# KiCad board QBusH723Z.kicad_pcb
title: QbusH723Z-JLCPCB; date: 2024-04-23; rev: 0.1; company: Bear Metal; note: Jonathan Engdahl; note: https://github.com/jrengdahl
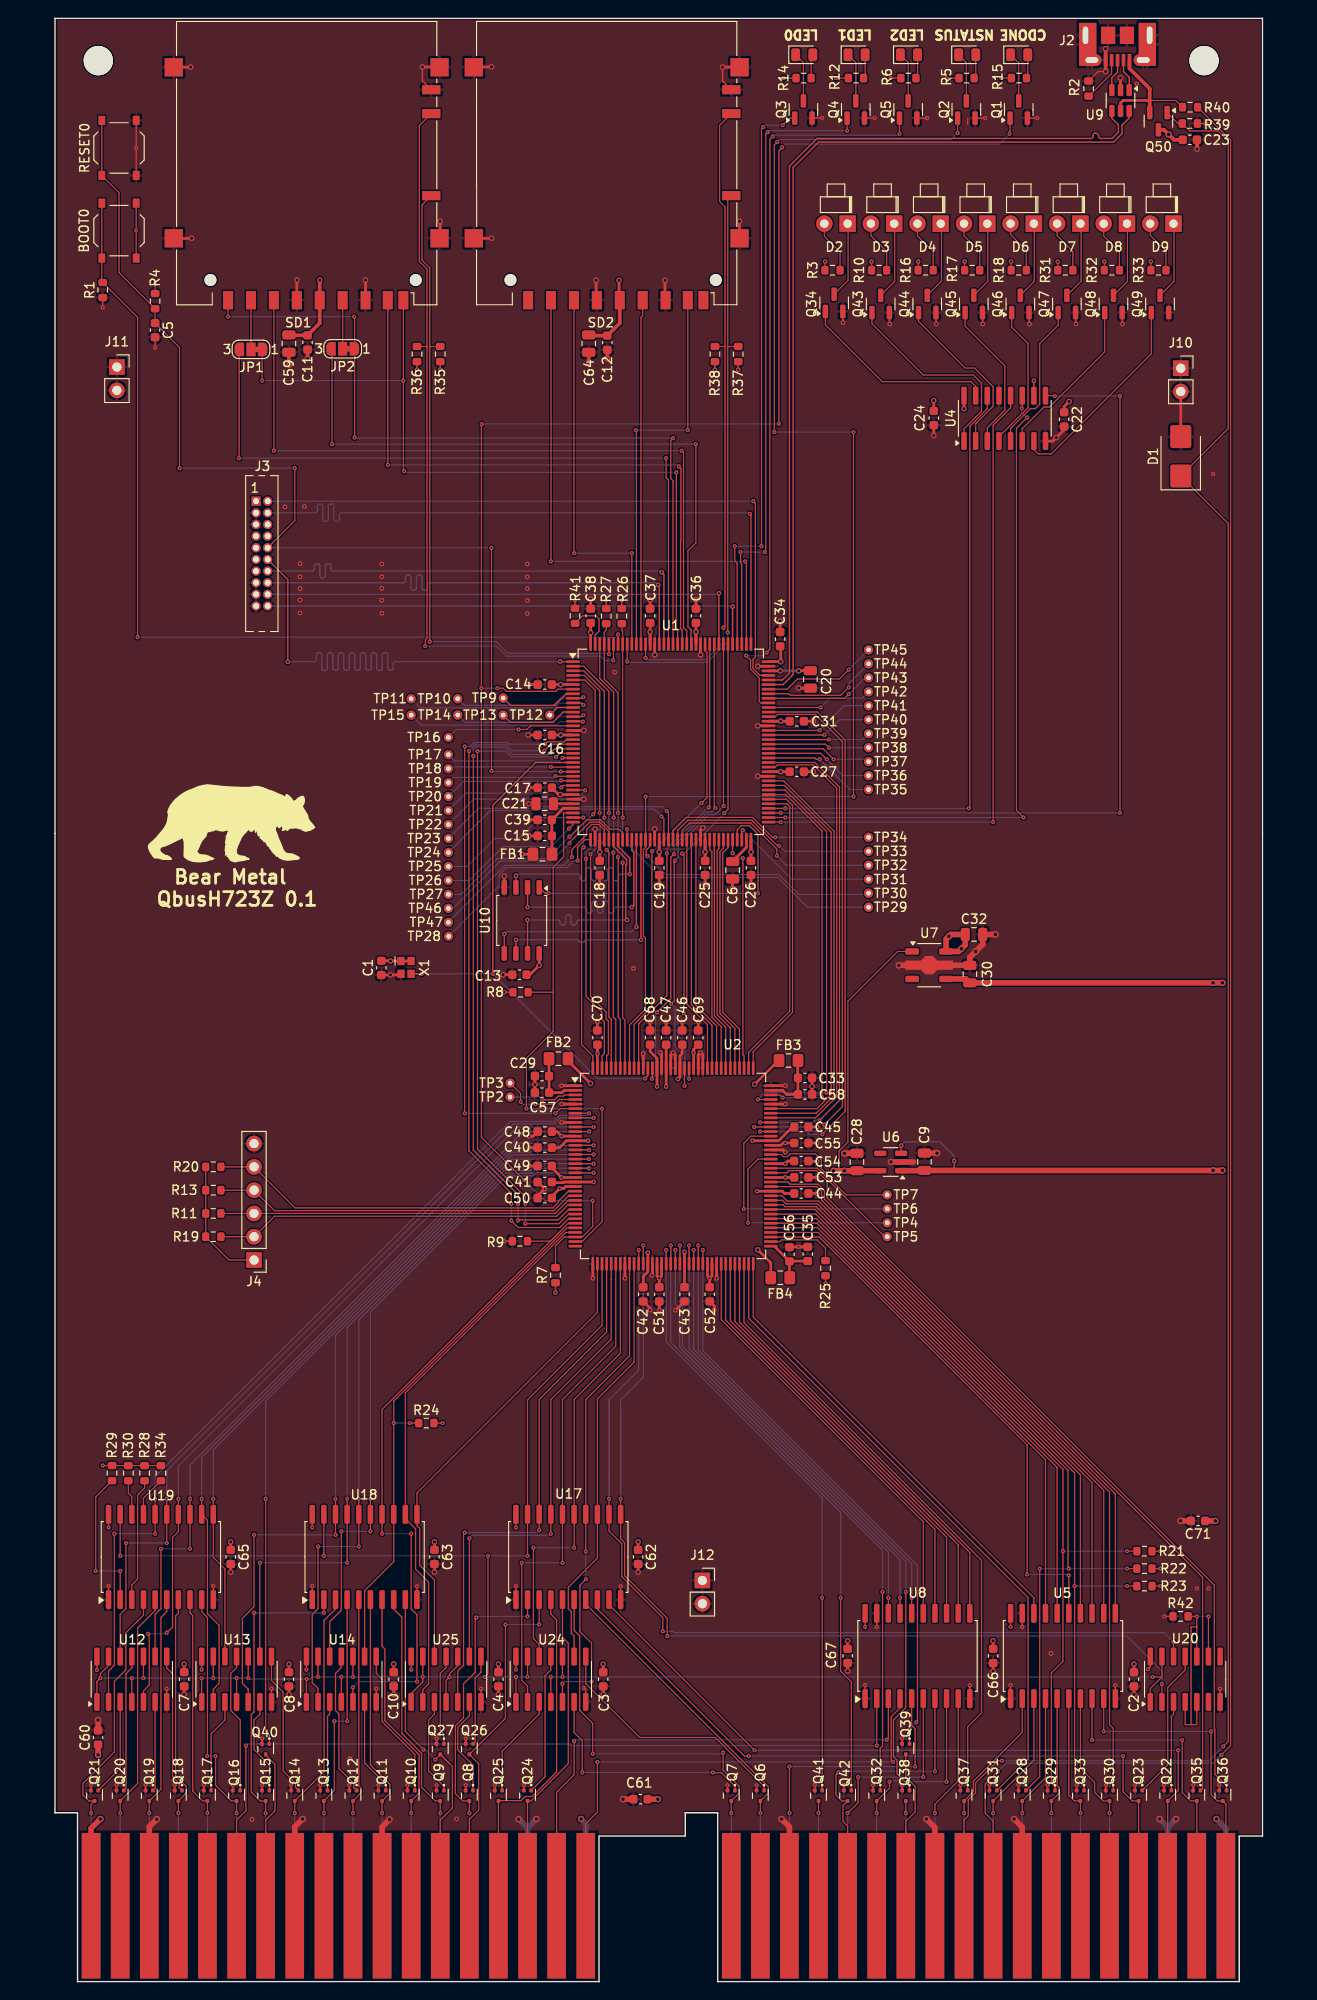
[diagram p0: board, top side]
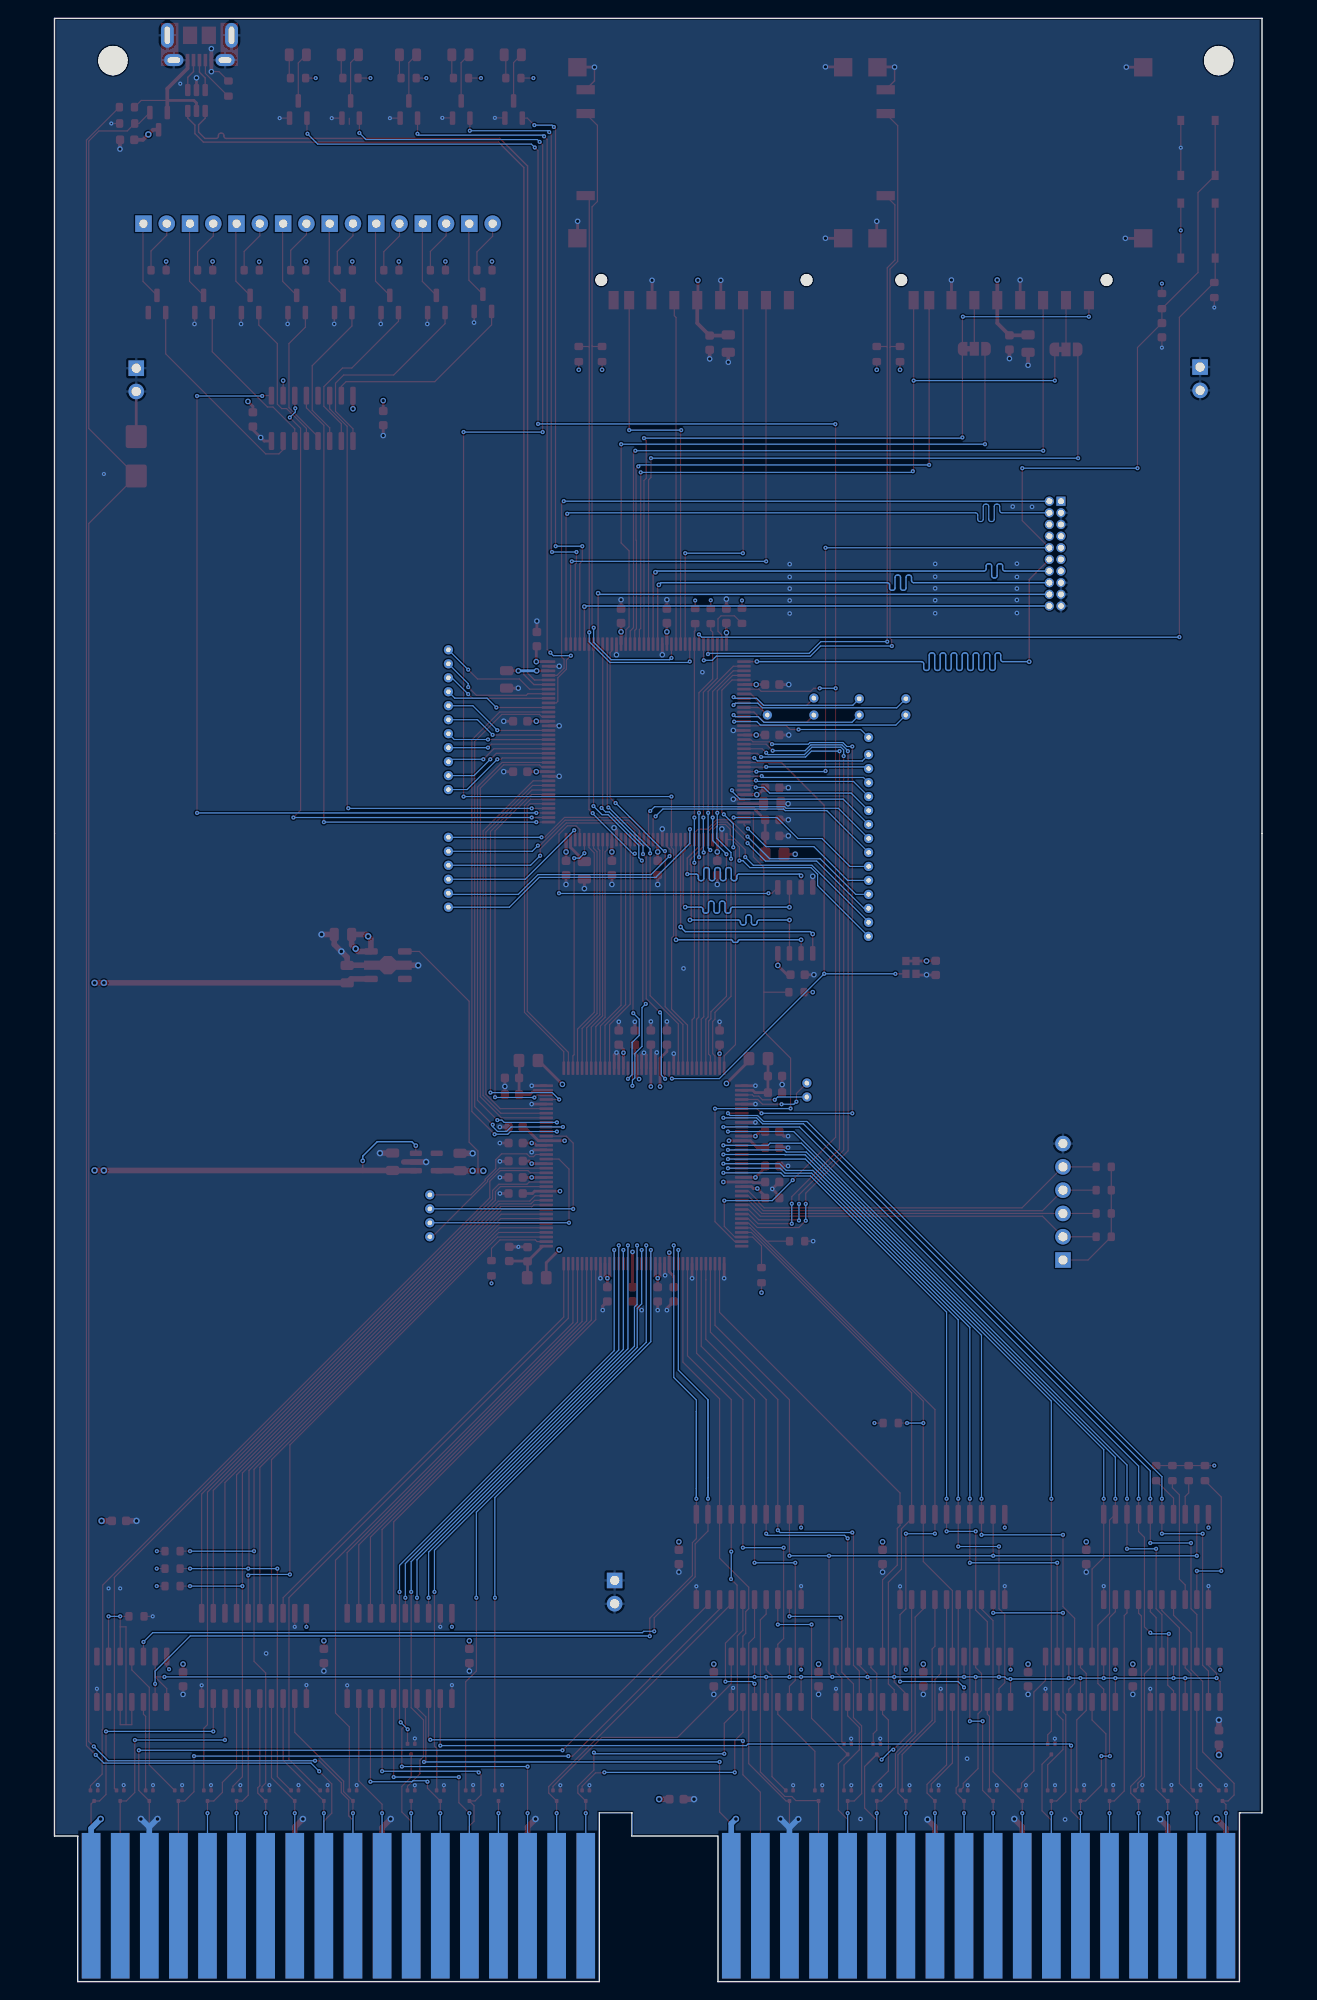
[diagram p1: board, bottom side, seen from below]

Outline 131.75 x 214.12 mm; copper layers: Top, In1.Cu (plane), In2.Cu (plane), Bottom. Coordinates in mm from the lower left corner of the outline.
Outline path: 0,214.12 0,18.42 2.46,18.42 2.46,0 59.36,0 59.36,15.88 68.76,15.88 68.76,18.42 72.31,18.42 72.31,0 129.21,0 129.21,15.88 131.75,15.88 131.75,214.12 0,214.12
Stack: Top 0.035mm / dielectric 0.1mm FR4 er 4.5 / In1.Cu 0.035mm / dielectric 1.24mm FR4 er 4.5 / In2.Cu 0.035mm / dielectric 0.1mm FR4 er 4.5 / Bottom 0.035mm

## Placement (name value [footprint] x y rotation side)
BOOT0  TS-1187A  [SW_Push_1P1T_XKB_TS-1187A]  6.99 190.97 270 top
C1  .1uf  [C_0603_1608Metric]  35.6 110.56 270 top
C2  .1uf  [C_0603_1608Metric]  117.73 32.98 270 top
C3  .1uf  [C_0603_1608Metric]  59.82 32.98 270 top
C4  .1uf  [C_0603_1608Metric]  48.39 32.98 270 top
C5  .1uf  [C_0603_1608Metric]  10.92 180.11 270 top
C6  2.2uf  [C_0805_2012Metric]  73.94 121.21 270 top
C7  .1uf  [C_0603_1608Metric]  14.1 32.98 270 top
C8  .1uf  [C_0603_1608Metric]  25.53 32.98 270 top
C9  4.7uf  [C_0805_2012Metric]  94.87 89.42 90 top
C10  .1uf  [C_0603_1608Metric]  36.96 32.98 270 top
C11  .1uf  [C_0603_1608Metric]  27.56 178.78 270 top
C12  .1uf  [C_0603_1608Metric]  60.27 178.75 270 top
C13  .1uf  [C_0603_1608Metric]  50.67 109.82 180 top
C14  .1uf  [C_0603_1608Metric]  53.44 141.46 180 top
C15  1uf  [C_0603_1608Metric]  53.44 124.96 180 top
C16  .1uf  [C_0603_1608Metric]  53.44 135.96 180 top
C17  .1uf  [C_0603_1608Metric]  53.44 130.21 180 top
C18  .1uf  [C_0603_1608Metric]  59.44 121.46 270 top
C19  .1uf  [C_0603_1608Metric]  65.94 121.46 270 top
C20  2.2uf  [C_0805_2012Metric]  82.42 142.02 270 top
C21  1uf  [C_0805_2012Metric]  53.44 128.46 180 top
C22  .1uf  [C_0603_1608Metric]  110.11 170.38 270 top
C23  10uf  [C_0603_1608Metric]  123.82 200.88 0 top
C24  10uf  [C_0603_1608Metric]  95.89 170.52 270 top
C25  .1uf  [C_0603_1608Metric]  70.94 121.46 270 top
C26  .1uf  [C_0603_1608Metric]  75.94 121.46 270 top
C27  .1uf  [C_0603_1608Metric]  80.94 131.96 0 top
C28  1uf  [C_0805_2012Metric]  87.5 89.4 90 top
C29  1uf  [C_0603_1608Metric]  53.14 98.76 180 top
C30  4.7uf  [C_0805_2012Metric]  99.82 109.88 90 top
C31  .1uf  [C_0603_1608Metric]  80.94 137.46 0 top
C32  4.7uf  [C_0805_2012Metric]  100.28 114.21 0 top
C33  1uf  [C_0603_1608Metric]  81.84 98.56 0 top
C34  .1uf  [C_0603_1608Metric]  79.12 146.42 90 top
C35  1uf  [C_0603_1608Metric]  82.14 79.36 90 top
C36  .1uf  [C_0603_1608Metric]  69.94 148.96 90 top
C37  .1uf  [C_0603_1608Metric]  64.94 148.96 90 top
C38  .1uf  [C_0603_1608Metric]  58.45 148.96 90 top
C39  .1uf  [C_0603_1608Metric]  53.44 126.71 180 top
C40  .1uf  [C_0603_1608Metric]  53.44 90.96 180 top
C41  .1uf  [C_0603_1608Metric]  53.44 87.21 180 top
C42  .1uf  [C_0603_1608Metric]  64.19 74.96 270 top
C43  .1uf  [C_0603_1608Metric]  68.69 74.96 270 top
C44  .1uf  [C_0603_1608Metric]  81.44 85.96 0 top
C45  .1uf  [C_0603_1608Metric]  81.44 93.21 0 top
C46  .1uf  [C_0603_1608Metric]  68.44 102.96 90 top
C47  .1uf  [C_0603_1608Metric]  66.69 102.96 90 top
C48  .1uf  [C_0603_1608Metric]  53.44 92.71 180 top
C49  .1uf  [C_0603_1608Metric]  53.44 88.96 180 top
C50  .1uf  [C_0603_1608Metric]  53.44 85.46 180 top
C51  .1uf  [C_0603_1608Metric]  65.94 74.96 270 top
C52  .1uf  [C_0603_1608Metric]  71.44 74.96 270 top
C53  .1uf  [C_0603_1608Metric]  81.44 87.71 0 top
C54  .1uf  [C_0603_1608Metric]  81.43 89.5 0 top
C55  .1uf  [C_0603_1608Metric]  81.44 91.46 0 top
C56  .1uf  [C_0603_1608Metric]  80.14 79.33 90 top
C57  .1uf  [C_0603_1608Metric]  53.14 96.96 180 top
C58  .1uf  [C_0603_1608Metric]  81.84 96.76 0 top
C59  1uf  [C_0805_2012Metric]  25.53 178.65 270 top
C60  10uf  [C_0603_1608Metric]  4.7 26.63 90 top
C61  10uf  [C_0603_1608Metric]  63.88 19.9 180 top
C62  .1uf  [C_0603_1608Metric]  63.63 46.32 270 top
C63  .1uf  [C_0603_1608Metric]  41.4 46.32 270 top
C64  1uf  [C_0805_2012Metric]  58.24 178.65 270 top
C65  .1uf  [C_0603_1608Metric]  19.18 46.32 270 top
C66  .1uf  [C_0603_1608Metric]  102.36 35.52 270 top
C67  .1uf  [C_0603_1608Metric]  86.49 35.52 270 top
C68  .1uf  [C_0603_1608Metric]  64.94 102.96 90 top
C69  .1uf  [C_0603_1608Metric]  70.19 102.96 90 top
C70  .1uf  [C_0603_1608Metric]  59.19 102.96 90 top
C71  10uf  [C_0603_1608Metric]  124.71 50.25 180 top
CDONE0  LED  [LED_0805_2012Metric]  105.2 210.15 0 top
D1  P6SMB6.8CA/TR13  [D_SMB]  122.83 166.36 90 top
D2  LED  [LED_D3.0mm_right_angle_holder]  86.49 191.73 180 top
D3  LED  [LED_D3.0mm_right_angle_holder]  91.57 191.73 180 top
D4  LED  [LED_D3.0mm_right_angle_holder]  96.65 191.73 180 top
D5  LED  [LED_D3.0mm_right_angle_holder]  101.73 191.73 180 top
D6  LED  [LED_D3.0mm_right_angle_holder]  106.81 191.73 180 top
D7  LED  [LED_D3.0mm_right_angle_holder]  111.89 191.73 180 top
D8  LED  [LED_D3.0mm_right_angle_holder]  116.97 191.73 180 top
D9  LED  [LED_D3.0mm_right_angle_holder]  122.05 191.73 180 top
FB1  600Ω@100MHz  [C_0805_2012Metric_Pad1.18x1.45mm_HandSolder]  53.19 122.96 0 top
FB2  600Ω@100MHz  [C_0805_2012Metric_Pad1.18x1.45mm_HandSolder]  54.94 100.66 180 top
FB3  600Ω@100MHz  [C_0805_2012Metric_Pad1.18x1.45mm_HandSolder]  80.04 100.46 0 top
FB4  600Ω@100MHz  [C_0805_2012Metric_Pad1.18x1.45mm_HandSolder]  79.14 76.77 0 top
G***  LOGO  [BearMetalNeg0.75]  19.3 126.33 0 top
H5  MountingHole  [MountingHole_3.2mm_M3]  4.72 209.51 0 top
H8  MountingHole  [MountingHole_3.2mm_M3]  125.37 209.51 0 top
J1  CONN-DEC-DUAL-HEIGHT  [DEC_Edge_Fingers_double_height]  128.78 16.28 180 top
J2  USB_B_Micro  [USB_Micro-B_Molex-105017-0002]  115.94 211.03 180 top
J3  Conn_02x10_Odd_Even  [Conn_02x10_Odd_Even_wide_connector]  21.94 161.46 0 top
J4  Conn_01x06_Pin  [PinHeader_1x06_P2.54mm_Vertical]  21.72 78.7 180 top
J10  Conn_01x02_Pin  [PinSocket_1x02_P2.54mm_Vertical]  122.83 175.96 0 top
J11  Conn_01x02_Pin  [PinSocket_1x02_P2.54mm_Vertical]  6.76 176.09 0 top
J12  Conn_01x02_Pin  [PinSocket_1x02_P2.54mm_Vertical]  70.64 43.76 0 top
JP1  SolderJumper_3_Bridged12  [SolderJumper-3_P1.3mm_Bridged12_RoundedPad1.0x1.5mm_NumberLabels]  21.39 178.02 180 top
JP2  SolderJumper_3_Bridged12  [SolderJumper-3_P1.3mm_Bridged12_RoundedPad1.0x1.5mm_NumberLabels]  31.39 178.08 180 top
LED0  LED  [LED_0805_2012Metric]  81.75 210.15 0 top
LED1  LED  [LED_0805_2012Metric]  87.46 210.15 0 top
LED2  LED  [LED_0805_2012Metric]  93.18 210.15 0 top
NSTATUS0  LED  [LED_0805_2012Metric]  99.53 210.15 0 top
Q1  AO3400A  [SOT-23]  105.16 204.18 90 top
Q2  AO3400A  [SOT-23]  99.44 204.18 90 top
Q3  AO3400A  [SOT-23]  81.66 204.18 90 top
Q4  AO3400A  [SOT-23]  87.38 204.18 90 top
Q5  AO3400A  [SOT-23]  93.09 204.18 90 top
Q6  SSM3K35AMFV  [SOT-723]  76.96 20.28 270 top
Q7  SSM3K35AMFV  [SOT-723]  73.79 20.28 270 top
Q8  SSM3K35AMFV  [SOT-723]  45.21 20.28 270 top
Q9  SSM3K35AMFV  [SOT-723]  42.04 20.28 270 top
Q10  SSM3K35AMFV  [SOT-723]  38.86 20.28 270 top
Q11  SSM3K35AMFV  [SOT-723]  35.69 20.28 270 top
Q12  SSM3K35AMFV  [SOT-723]  32.51 20.28 270 top
Q13  SSM3K35AMFV  [SOT-723]  29.34 20.28 270 top
Q14  SSM3K35AMFV  [SOT-723]  26.16 20.28 270 top
Q15  SSM3K35AMFV  [SOT-723]  22.99 20.28 270 top
Q16  SSM3K35AMFV  [SOT-723]  19.81 20.28 270 top
Q17  SSM3K35AMFV  [SOT-723]  16.64 20.28 270 top
Q18  SSM3K35AMFV  [SOT-723]  13.46 20.28 270 top
Q19  SSM3K35AMFV  [SOT-723]  10.29 20.28 270 top
Q20  SSM3K35AMFV  [SOT-723]  7.11 20.28 270 top
Q21  SSM3K35AMFV  [SOT-723]  4.32 20.28 270 top
Q22  SSM3K35AMFV  [SOT-723]  121.41 20.28 270 top
Q23  SSM3K35AMFV  [SOT-723]  118.24 20.28 270 top
Q24  SSM3K35AMFV  [SOT-723]  51.56 20.28 270 top
Q25  SSM3K35AMFV  [SOT-723]  48.39 20.28 270 top
Q26  SSM3K35AMFV  [SOT-723]  45.21 25.36 270 top
Q27  SSM3K35AMFV  [SOT-723]  42.04 25.36 270 top
Q28  SSM3K35AMFV  [SOT-723]  105.54 20.28 270 top
Q29  SSM3K35AMFV  [SOT-723]  108.71 20.28 270 top
Q30  SSM3K35AMFV  [SOT-723]  115.06 20.28 270 top
Q31  SSM3K35AMFV  [SOT-723]  102.36 20.28 270 top
Q32  SSM3K35AMFV  [SOT-723]  89.66 20.28 270 top
Q33  SSM3K35AMFV  [SOT-723]  111.89 20.28 270 top
Q34  AO3400A  [SOT-23]  85.01 183.1 90 top
Q35  SSM3K35AMFV  [SOT-723]  124.59 20.28 270 top
Q36  SSM3K35AMFV  [SOT-723]  127.43 20.28 270 top
Q37  SSM3K35AMFV  [SOT-723]  99.19 20.28 270 top
Q38  SSM3K35AMFV  [SOT-723]  92.84 20.28 270 top
Q39  SSM3K35AMFV  [SOT-723]  92.84 25.36 270 top
Q40  SSM3K35AMFV  [SOT-723]  22.99 25.36 270 top
Q41  SSM3K35AMFV  [SOT-723]  83.31 20.28 270 top
Q42  SSM3K35AMFV  [SOT-723]  86.49 20.28 270 top
Q43  AO3400A  [SOT-23]  90.09 182.97 90 top
Q44  AO3400A  [SOT-23]  95.17 182.97 90 top
Q45  AO3400A  [SOT-23]  100.25 182.97 90 top
Q46  AO3400A  [SOT-23]  105.33 182.97 90 top
Q47  AO3400A  [SOT-23]  110.41 182.97 90 top
Q48  AO3400A  [SOT-23]  115.49 182.97 90 top
Q49  AO3400A  [SOT-23]  120.57 182.97 90 top
Q50  AO3401A  [SOT-23]  120.4 202.91 270 top
R1  10K  [R_0603_1608Metric]  5.21 184.49 90 top
R2  10K  [R_0603_1608Metric]  112.78 206.46 270 top
R3  300  [R_0603_1608Metric]  84.84 186.65 180 top
R4  10K  [R_0603_1608Metric]  10.92 183.29 90 top
R5  300  [R_0603_1608Metric]  99.46 207.61 0 top
R6  300  [R_0603_1608Metric]  93.11 207.61 0 top
R7  10K  [R_0603_1608Metric]  54.61 77.05 90 top
R8  10K  [R_0603_1608Metric]  50.8 107.91 0 top
R9  10K  [R_0603_1608Metric]  50.72 80.76 0 top
R10  300  [R_0603_1608Metric]  89.92 186.65 180 top
R11  10K  [R_0603_1608Metric]  17.27 83.78 0 top
R12  300  [R_0603_1608Metric]  87.4 207.61 0 top
R13  10K  [R_0603_1608Metric]  17.27 86.32 0 top
R14  300  [R_0603_1608Metric]  81.68 207.61 0 top
R15  300  [R_0603_1608Metric]  105.18 207.61 0 top
R16  300  [R_0603_1608Metric]  95 186.65 180 top
R17  300  [R_0603_1608Metric]  100.08 186.65 180 top
R18  300  [R_0603_1608Metric]  105.16 186.65 180 top
R19  10K  [R_0603_1608Metric]  17.27 81.24 0 top
R20  10K  [R_0603_1608Metric]  17.27 88.86 0 top
R21  10K  [R_0603_1608Metric]  118.87 46.95 180 top
R22  10K  [R_0603_1608Metric]  118.87 45.05 180 top
R23  10K  [R_0603_1608Metric]  118.87 43.14 180 top
R24  10K  [R_0603_1608Metric]  40.51 60.92 180 top
R25  10K  [R_0603_1608Metric]  84.07 77.81 90 top
R26  10K  [R_0603_1608Metric]  61.85 148.93 270 top
R27  10K  [R_0603_1608Metric]  60.15 148.93 270 top
R28  10K  [R_0603_1608Metric]  9.78 55.46 90 top
R29  10K  [R_0603_1608Metric]  6.22 55.46 90 top
R30  10K  [R_0603_1608Metric]  8 55.46 90 top
R31  300  [R_0603_1608Metric]  110.24 186.65 180 top
R32  300  [R_0603_1608Metric]  115.32 186.65 180 top
R33  300  [R_0603_1608Metric]  120.4 186.65 180 top
R34  10K  [R_0603_1608Metric]  11.56 55.46 90 top
R35  10K  [R_0603_1608Metric]  42.04 177.51 270 top
R36  10K  [R_0603_1608Metric]  39.5 177.51 270 top
R37  10K  [R_0603_1608Metric]  74.55 177.51 270 top
R38  10K  [R_0603_1608Metric]  72.01 177.51 270 top
R39  10K  [R_0603_1608Metric]  123.82 202.65 180 top
R40  100  [R_0603_1608Metric]  123.85 204.43 180 top
R41  10K  [R_0603_1608Metric]  56.74 148.96 270 top
R42  10K  [R_0603_1608Metric]  122.81 39.84 0 top
RESET0  TS-1187A  [SW_Push_1P1T_XKB_TS-1187A]  6.99 199.99 90 top
SD1  SD_Card  [SD_Hirose_DM1AA_SF_PEJ82]  27.46 198.33 180 top
SD2  SD_Card  [SD_Hirose_DM1AA_SF_PEJ82]  60.2 198.34 180 top
TP2  TestPoint  [TestPoint_THTPad_D1.0mm_Drill0.5mm_min]  49.66 96.48 0 top
TP3  TestPoint  [TestPoint_THTPad_D1.0mm_Drill0.5mm_min]  49.66 98.01 0 top
TP4  TestPoint  [TestPoint_THTPad_D1.0mm_Drill0.5mm_min]  90.81 82.77 0 top
TP5  TestPoint  [TestPoint_THTPad_D1.0mm_Drill0.5mm_min]  90.81 81.24 0 top
TP6  TestPoint  [TestPoint_THTPad_D1.0mm_Drill0.5mm_min]  90.81 84.29 0 top
TP7  TestPoint  [TestPoint_THTPad_D1.0mm_Drill0.5mm_min]  90.81 85.81 0 top
TP9  TestPoint  [TestPoint_THTPad_D1.0mm_Drill0.5mm_min]  48.9 139.99 0 top
TP10  TestPoint  [TestPoint_THTPad_D1.0mm_Drill0.5mm_min]  43.94 139.92 0 top
TP11  TestPoint  [TestPoint_THTPad_D1.0mm_Drill0.5mm_min]  38.86 139.92 0 top
TP12  TestPoint  [TestPoint_THTPad_D1.0mm_Drill0.5mm_min]  53.98 138.14 0 top
TP13  TestPoint  [TestPoint_THTPad_D1.0mm_Drill0.5mm_min]  48.9 138.14 0 top
TP14  TestPoint  [TestPoint_THTPad_D1.0mm_Drill0.5mm_min]  43.94 138.14 0 top
TP15  TestPoint  [TestPoint_THTPad_D1.0mm_Drill0.5mm_min]  38.86 138.14 0 top
TP16  TestPoint  [TestPoint_THTPad_D1.0mm_Drill0.5mm_min]  42.93 135.7 0 top
TP17  TestPoint  [TestPoint_THTPad_D1.0mm_Drill0.5mm_min]  42.93 133.82 0 top
TP18  TestPoint  [TestPoint_THTPad_D1.0mm_Drill0.5mm_min]  42.93 132.3 0 top
TP19  TestPoint  [TestPoint_THTPad_D1.0mm_Drill0.5mm_min]  42.93 130.77 0 top
TP20  TestPoint  [TestPoint_THTPad_D1.0mm_Drill0.5mm_min]  42.93 129.25 0 top
TP21  TestPoint  [TestPoint_THTPad_D1.0mm_Drill0.5mm_min]  42.93 127.72 0 top
TP22  TestPoint  [TestPoint_THTPad_D1.0mm_Drill0.5mm_min]  42.93 126.2 0 top
TP23  TestPoint  [TestPoint_THTPad_D1.0mm_Drill0.5mm_min]  42.93 124.68 0 top
TP24  TestPoint  [TestPoint_THTPad_D1.0mm_Drill0.5mm_min]  42.93 123.15 0 top
TP25  TestPoint  [TestPoint_THTPad_D1.0mm_Drill0.5mm_min]  42.93 121.63 0 top
TP26  TestPoint  [TestPoint_THTPad_D1.0mm_Drill0.5mm_min]  42.93 120.1 0 top
TP27  TestPoint  [TestPoint_THTPad_D1.0mm_Drill0.5mm_min]  42.93 118.58 0 top
TP28  TestPoint  [TestPoint_THTPad_D1.0mm_Drill0.5mm_min]  42.95 114.01 0 top
TP29  TestPoint  [TestPoint_THTPad_D1.0mm_Drill0.5mm_min]  88.77 117.18 0 top
TP30  TestPoint  [TestPoint_THTPad_D1.0mm_Drill0.5mm_min]  88.77 118.71 0 top
TP31  TestPoint  [TestPoint_THTPad_D1.0mm_Drill0.5mm_min]  88.77 120.23 0 top
TP32  TestPoint  [TestPoint_THTPad_D1.0mm_Drill0.5mm_min]  88.77 121.75 0 top
TP33  TestPoint  [TestPoint_THTPad_D1.0mm_Drill0.5mm_min]  88.77 123.28 0 top
TP34  TestPoint  [TestPoint_THTPad_D1.0mm_Drill0.5mm_min]  88.77 124.8 0 top
TP35  TestPoint  [TestPoint_THTPad_D1.0mm_Drill0.5mm_min]  88.77 130.01 0 top
TP36  TestPoint  [TestPoint_THTPad_D1.0mm_Drill0.5mm_min]  88.77 131.53 0 top
TP37  TestPoint  [TestPoint_THTPad_D1.0mm_Drill0.5mm_min]  88.77 133.06 0 top
TP38  TestPoint  [TestPoint_THTPad_D1.0mm_Drill0.5mm_min]  88.77 134.58 0 top
TP39  TestPoint  [TestPoint_THTPad_D1.0mm_Drill0.5mm_min]  88.77 136.11 0 top
TP40  TestPoint  [TestPoint_THTPad_D1.0mm_Drill0.5mm_min]  88.77 137.63 0 top
TP41  TestPoint  [TestPoint_THTPad_D1.0mm_Drill0.5mm_min]  88.77 139.15 0 top
TP42  TestPoint  [TestPoint_THTPad_D1.0mm_Drill0.5mm_min]  88.77 140.68 0 top
TP43  TestPoint  [TestPoint_THTPad_D1.0mm_Drill0.5mm_min]  88.77 142.2 0 top
TP44  TestPoint  [TestPoint_THTPad_D1.0mm_Drill0.5mm_min]  88.77 143.73 0 top
TP45  TestPoint  [TestPoint_THTPad_D1.0mm_Drill0.5mm_min]  88.77 145.25 0 top
TP46  TestPoint  [TestPoint_THTPad_D1.0mm_Drill0.5mm_min]  42.93 117.06 0 top
TP47  TestPoint  [TestPoint_THTPad_D1.0mm_Drill0.5mm_min]  42.93 115.53 0 top
U1  STM32H723ZGTx  [LQFP-144_20x20mm_P0.5mm]  67.19 135.21 0 top
U2  T8Q144I4  [LQFP-144_20x20mm_P0.5mm]  67.44 88.96 0 top
U4  74AHC595  [SOIC-16_3.9x9.9mm_P1.27mm]  103.63 170.5 90 top
U5  74LVC541ADW  [SOIC-20W_7.5x12.8mm_P1.27mm]  109.98 35.52 90 top
U6  TLV74312PDBVR  [SOT-23-5]  91.19 89.4 180 top
U7  AP7361C-33Y5  [SOT-89-5]  95.38 110.86 0 top
U8  74LVC541ADW  [SOIC-20W_7.5x12.8mm_P1.27mm]  94.11 35.52 90 top
U9  USBLC6-2SC6  [SOT-23-6]  116.26 205.16 270 top
U10  W25Q128JVS  [SOIC-8_5.23x5.23mm_P1.27mm]  50.93 115.74 270 top
U12  74LVC08  [SOIC-14_3.9x8.7mm_P1.27mm]  8.38 32.98 90 top
U13  74LVC08  [SOIC-14_3.9x8.7mm_P1.27mm]  19.81 32.98 90 top
U14  74LVC08  [SOIC-14_3.9x8.7mm_P1.27mm]  31.24 32.98 90 top
U17  74LVC541ADW  [SOIC-20W_7.5x12.8mm_P1.27mm]  56.01 46.32 90 top
U18  74LVC541ADW  [SOIC-20W_7.5x12.8mm_P1.27mm]  33.78 46.32 90 top
U19  74LVC541ADW  [SOIC-20W_7.5x12.8mm_P1.27mm]  11.56 46.32 90 top
U20  74LVC08  [SOIC-14_3.9x8.7mm_P1.27mm]  123.32 32.98 90 top
U24  74LVC08  [SOIC-14_3.9x8.7mm_P1.27mm]  54.1 32.98 90 top
U25  74LVC08  [SOIC-14_3.9x8.7mm_P1.27mm]  42.67 32.98 90 top
X1  SX1M8.000M10F30TNN  [Crystal_SMD_2016-4Pin_2.0x1.6mm]  38.3 110.61 270 top

## Library data of the parts
BOOT0 RESET0 = -: Datasheet: https://jlcpcb.com/partdetail/XkbConnection-TS_1187A_B_AB/C318884; Description: Push button switch, generic, two pins; LCSC: C318884
C1-C5 C7 C8 C10-C14 C16-C19 C22 C25-C27 C31 C34 C36-C58 C62 C63 C65-C70 = -: Description: Unpolarized capacitor; LCSC: C14663; ki_fp_filters: C_*
C6 C20 = -: Description: Unpolarized capacitor; LCSC: C377773; ki_fp_filters: C_*
C9 C30 C32 = -: Datasheet: https://jlcpcb.com/partdetail/2131-CL21A475KAQNNNE/C1779; Description: Unpolarized capacitor; LCSC: C1779; ki_fp_filters: C_*
C15 C29 C33 C35 = -: Description: Unpolarized capacitor; LCSC: C15849; ki_fp_filters: C_*
C21 C28 C59 C64 = -: Datasheet: https://jlcpcb.com/partdetail/29074-CL21B105KBFNNNE/C28323; Description: Unpolarized capacitor; LCSC: C28323; ki_fp_filters: C_*
C23 C24 C60 C61 C71 = -: Description: Unpolarized capacitor; LCSC: C19702; ki_fp_filters: C_*
CDONE0 LED0-LED2 NSTATUS0 = -: Datasheet: https://jlcpcb.com/partdetail/85425-NCD0805R1/C84256; Description: Light emitting diode; LCSC: C84256; ki_fp_filters: LED* LED_SMD:* LED_THT:*
D1 = -: Datasheet: https://jlcpcb.com/partdetail/Brightking-P6SMB6_8CATR13/C78395; Description: 58.1A 600W 10.5V 6.45V 5.8V SMB(DO-214AA) Electrostatic and Surge Protection (TVS/ESD) DO-214AA; LCSC: C78395; ki_fp_filters: D*SMB*
D2-D9 = -: Description: Light emitting diode; ki_fp_filters: LED* LED_SMD:* LED_THT:*
FB1-FB4 = -: Datasheet: https://jlcpcb.com/partdetail/Sunlord-GZ2012D601TF/C1017; Description: Ferrite bead, small symbol; LCSC: C1017; ki_fp_filters: Inductor_* L_* *Ferrite*
H5 H8 = -: Description: Mounting Hole without connection; ki_fp_filters: MountingHole*
J1 = -: ki_fp_filters: dec-conn-*
J2 = -: Datasheet: https://jlcpcb.com/partdetail/Molex-1050170002/C505322; Description: USB Micro Type B connector; LCSC: C505322; ki_fp_filters: USB*
J3 = -: Description: Generic connector, double row, 02x10, odd/even pin numbering scheme (row 1 odd numbers, row 2 even numbers), script generated (kicad-library-utils/schlib/autogen/connector/); ki_fp_filters: Connector*:*_2x??_*
J4 = -: Description: Generic connector, single row, 01x06, script generated; ki_fp_filters: Connector*:*_1x??_*
J10-J12 = -: Description: Generic connector, single row, 01x02, script generated; ki_fp_filters: Connector*:*_1x??_*
JP1 JP2 = -: Description: 3-pole Solder Jumper, pins 1+2 closed/bridged; ki_fp_filters: SolderJumper*Bridged12*
Q1-Q5 Q34 Q43-Q49 = -: Datasheet: http://www.aosmd.com/pdfs/datasheet/AO3400A.pdf; Description: 30V Vds, 5.7A Id, N-Channel MOSFET, SOT-23; LCSC: C20917; ki_fp_filters: SOT?23*
Q6-Q33 Q35-Q42 = -: Datasheet: https://wmsc.lcsc.com/wmsc/upload/file/pdf/v2/lcsc/1806131827_TOSHIBA-SSM3K35AMFV-L3F_C150155.pdf; Description: Toshiba SSM3K35AMFV fast low-voltage N-channel MOSFET; LCSC: C150155; ki_fp_filters: SOT?23*
Q50 = -: Datasheet: http://www.aosmd.com/pdfs/datasheet/AO3401A.pdf; Description: -4.0A Id, -30V Vds, P-Channel MOSFET, SOT-23; LCSC: C15127; ki_fp_filters: SOT?23*
R1 R2 R4 R7-R9 R11 R13 R19-R30 R34-R39 R41 R42 = -: Description: Resistor, US symbol; LCSC: C25804; ki_fp_filters: R_*
R3 R5 R6 R10 R12 R14-R18 R31-R33 = -: Datasheet: https://jlcpcb.com/partdetail/23752-0603WAF3000T5E/C23025; Description: Resistor, US symbol; LCSC: C23025; ki_fp_filters: R_*
R40 = -: Datasheet: https://jlcpcb.com/partdetail/18096-0805W8F1000T5E/C17408; Description: Resistor, US symbol; LCSC: C17408; ki_fp_filters: R_*
SD1 SD2 = -: Datasheet: https://jlcpcb.com/partdetail/hrs_hirose-DM1AA_SF_PEJ_82/C506790; Description: SD Card Reader; LCSC: C506790; ki_fp_filters: SD*
TP2-TP7 TP9-TP47 = -: Description: test point; ki_fp_filters: Pin* Test*
U1 = -: Datasheet: https://www.st.com/resource/en/datasheet/stm32h723zg.pdf; Description: STMicroelectronics Arm Cortex-M7 MCU, 1024KB flash, 564KB RAM, 550 MHz, 1.62-3.6V, 114 GPIO, LQFP144; LCSC: C730146; ki_fp_filters: LQFP*20x20mm*P0.5mm*
U2 = -: Datasheet: https://www.efinixinc.com/docs/trion8-ds-v4.4.pdf; Description: Trion® Field Programmable Gate Array (FPGA) IC 97 125829 7384 144-LQFP; LCSC: C7356605; Comment: Global Sourcing part, from Digikey; ki_fp_filters: LQFP*20x20mm*P0.5mm*
U4 = -: Datasheet: https://assets.nexperia.com/documents/data-sheet/74AHC_AHCT595.pdf; Description: 8-bit serial in/out Shift Register 3-State Outputs; LCSC: C5947; ki_fp_filters: DIP*W7.62mm* SOIC*3.9x9.9mm*P1.27mm* TSSOP*4.4x5mm*P0.65mm* SOIC*5.3x10.2mm*P1.27mm* SOIC*7.5x10.3mm*P1.27mm*
U5 U8 U17-U19 = -: Datasheet: http://www.ti.com/lit/gpn/sn74LS541; Description: 8-bit Buffer/Line Driver 3-state outputs; LCSC: C2652110; ki_fp_filters: DIP?20*
U6 = -: Datasheet: https://www.ti.com/lit/ds/symlink/tlv743p.pdf; Description: 300ma Low Dropout regulator with enable, 1.2V fixed output, SOT-23-5; LCSC: C485149; ki_fp_filters: SOT?223*
U7 = -: Datasheet: https://www.diodes.com/assets/Datasheets/AP7361C.pdf; Description: 1A Low Dropout regulator with enable, 3.3V fixed output, SOT-89-5; LCSC: C460397; ki_fp_filters: SOT?223*
U9 = -: Datasheet: https://www.we-online.com/components/products/datasheet/82400102.pdf; Description: Low Capacitance TVS Diode Array, 2 Channels, SOT-23-6; LCSC: C2827654; ki_fp_filters: SOT?23*
U10 = -: Datasheet: http://www.winbond.com/resource-files/w25q128jv_dtr%20revc%2003272018%20plus.pdf; Description: 128Mb Serial Flash Memory, Standard/Dual/Quad SPI, SOIC-8; LCSC: C97521; ki_fp_filters: SOIC*5.23x5.23mm*P1.27mm*